# KiCad board communications-module.kicad_pcb (continued)
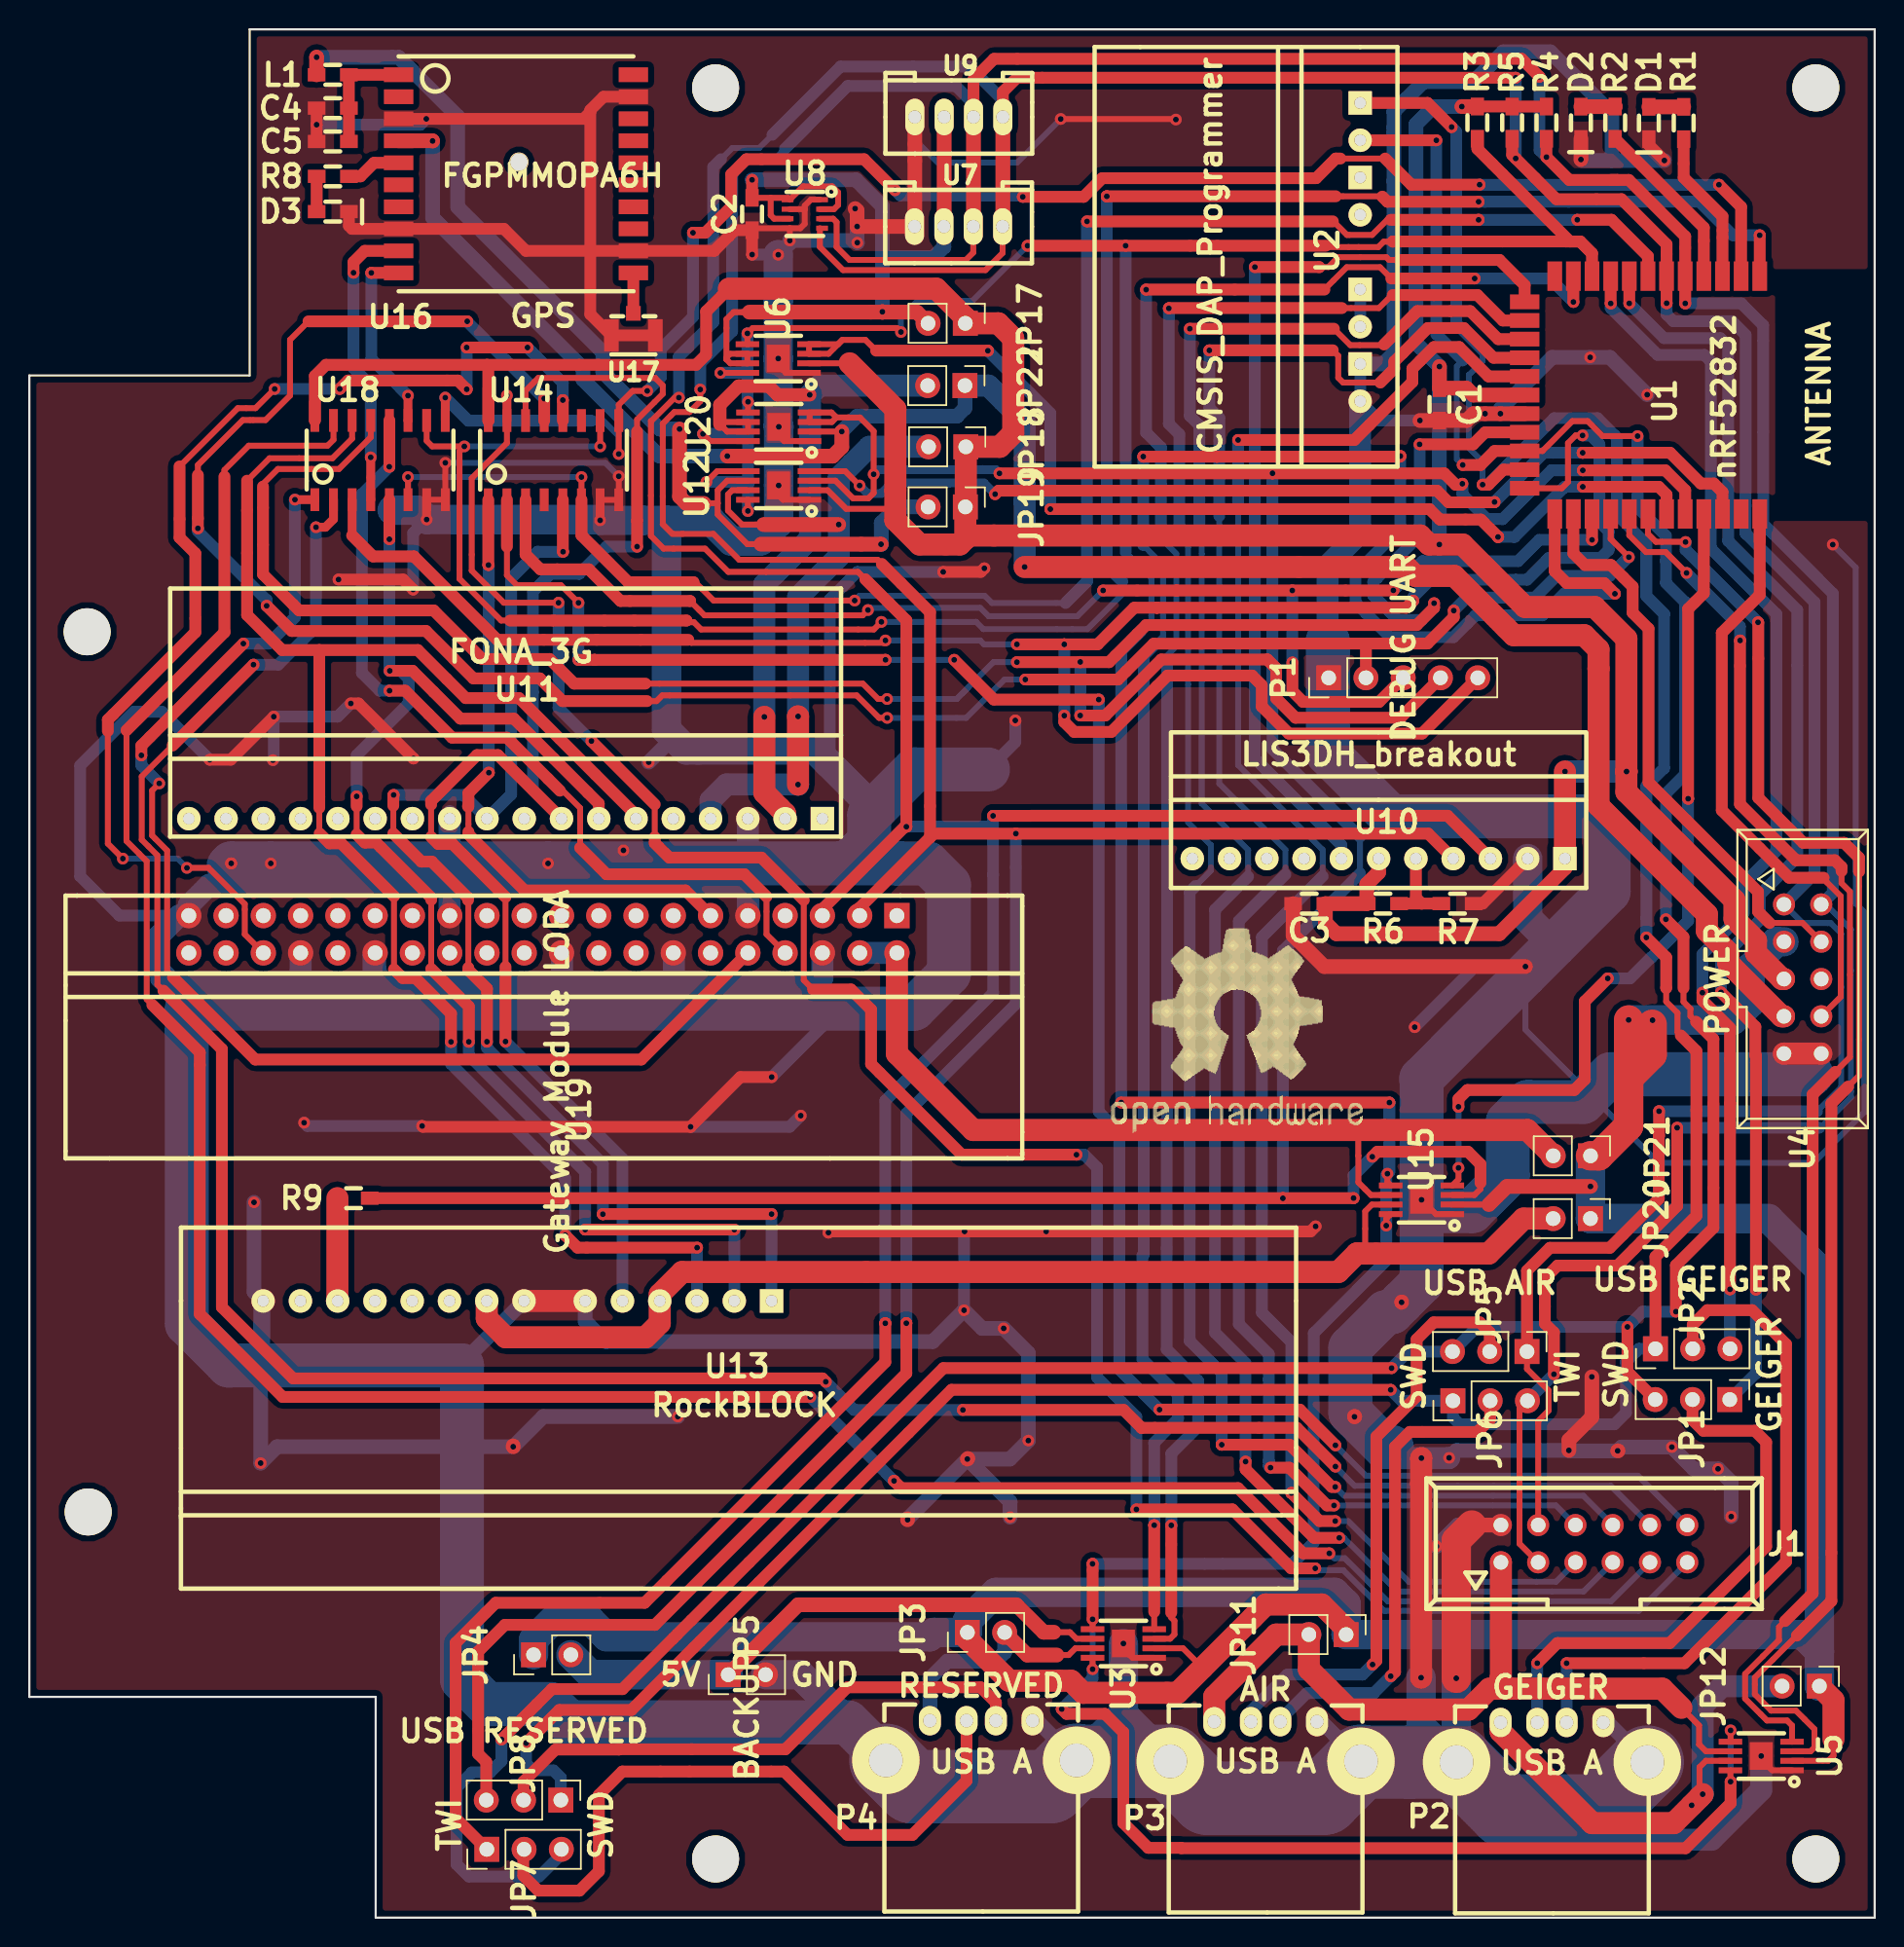
[diagram p0: board, top side]
## Routing (per net, layer and track width the routed paths; a pad name or vN(x,y) marks a point on that pad's centre or on a via; arc(x,y) is an arc through that point) (continued)
UART_RX: length 149.4
  Top w0.4: 41.66,87.03 41.66,87.05 ; 44.91,87.05 45.11,86.84 58.18,86.84 v1(58.34,87.01) ; v1(105.85,100.97) 105.38,100.97 104.86,100.45 104.86,97.8 104.43,97.37 U1.23
  Top w0.6: U18.3 22,94.15
  Top w0.8: 22,94.15 23.42,92.73 26.21,92.73 31.89,87.05 44.91,87.05 ; v1(94.31,89.71) 93.83,89.23 76.85,89.23 ; 76.85,89.24 76.85,89.23 ; 76.85,89.24 76.85,89.23 ; 76.85,89.24 76.85,89.23 ; 76.85,89.24 75.3,89.24 72.8,86.74 70.53,86.74 ; v1(70.53,81.89) 70.53,81.45 71.21,80.77 73.74,80.77 77.58,84.61 83.33,84.61 83.99,83.95 83.99,82.51 85.84,80.66 94.91,80.66 P1.5 ; v1(70.53,86.74) 70.53,86.74 ; v1(70.53,86.74) 70.53,86.74 ; v1(70.53,86.74) 70.53,86.74 ; 70.53,86.74 v1(67.3,86.74)
  Bottom w0.4: v1(67.3,86.74) 65.06,86.74 64.8,87.01 v1(58.34,87.01)
  Bottom w0.8: 94.32,89.71 v1(94.31,89.71) 94.31,89.96 95.49,91.14 102.07,91.14 103.55,92.62 107.09,92.62 107.63,93.16 107.63,94.44 107,95.07 107,100.37 106.4,100.97 v1(105.85,100.97) ; v1(70.53,86.74) v1(70.53,81.89)
UART_TX: length 162.5
  Top w0.4: 15.92,97.49 15.92,97.67 16.94,98.68 21.1,98.68 23.27,100.85 U18.13 ; v1(58.46,83.02) 57.85,83.02 56.8,84.06 41.98,84.06
  Top w0.8: v1(94.74,100.36) 98.39,100.36 99.21,101.18 U1.20 ; 15.92,97.49 15.92,91.51 18.38,89.05 27.55,89.05 30.86,85.74 35.45,85.74 37.13,84.06 41.98,84.06 ; v1(95.73,89.54) 95.73,89.24 94.55,88.05 76.11,88.05 73.58,85.53 71.62,85.53 ; 84.97,85.11 84.37,85.71 ; 84.97,85.11 84.37,85.71 ; 84.97,85.11 84.97,83.06 86.29,81.74 93.45,81.74 P1.4 ; 84.37,85.71 77.15,85.71 73.33,81.89 v1(71.62,81.89) ; v1(71.62,85.54) 71.62,85.53 ; 71.62,85.53 71.62,85.54 71.62,85.53 ; 71.62,85.53 v1(67.3,85.53)
  Bottom w0.4: 63.98,83.79 63.21,83.02 63.19,83.02 ; 63.19,83.02 65.7,85.53 v1(67.3,85.53) ; 63.19,83.02 v1(58.46,83.02)
  Bottom w0.8: v1(95.73,89.54) 95.73,89.24 94.89,88.4 93.26,88.4 91.59,90.07 91.59,90.99 94.74,94.15 v1(94.74,100.36) ; v1(71.62,85.54) 71.62,85.54 v1(71.62,81.89)
UMUX_INH: length 121.7
  Top w0.4: 37.62,96.59 U14.6 v1(37.63,98.14) ; v1(56.25,89.72) 46.63,89.72 45.82,90.53 45.82,90.53 45.38,90.97 45.26,90.97 ; 87.66,115.55 88.87,115.55 89.8,114.63 91.51,114.63 92.54,115.66 92.78,115.66 ; v1(25.81,98.14) U18.6
  Top w0.8: 45.26,90.97 45.26,90.97 40.82,90.97 37.63,94.17 U14.6 ; v1(105.49,115.66) 107.82,115.66 110.31,113.17 U1.7 ; 98.77,115.67 v1(98.77,115.66) 92.78,115.66 ; 88.83,115.55 v1(72.08,115.55)
  Bottom w0.4: v1(56.25,89.72) 56.57,90.04 65.11,90.04 65.6,89.56 70.62,89.56 ; v1(37.63,98.14) v1(25.81,98.14)
  Bottom w0.8: v1(98.77,115.66) 98.77,115.66 v1(105.49,115.66) ; v1(72.08,115.55) 72.08,91.02 70.62,89.56
UMUX_SEL0: length 148.2
  Top w0.4: U14.10 38.9,101.98 v1(38.9,100.22) ; v1(58.07,88.27) 57.55,87.75 45.78,87.75 45.29,88.25 44.9,88.25 44.78,88.36 ; 32.77,88.36 32.16,88.36 29.32,91.2 29.32,99.9 v1(29.64,100.22) 27.46,100.22 27.08,100.6 U18.10 ; 89.03,117.26 92.18,117.26 92.2,117.24
  Top w0.8: v1(117.92,114.61) 117.93,114.6 U1.1 ; 92.2,117.24 92.55,116.89 v1(98.77,116.89) ; 44.79,88.36 44.78,88.36 32.77,88.36 ; v1(73.43,117.26) 73.43,117.26 ; v1(73.43,117.26) 73.43,117.26 ; v1(73.43,117.26) 73.43,117.26 ; 73.43,117.26 89.03,117.26
  Bottom w0.4: 74.49,91.02 74.49,90.17 72.1,87.78 65.01,87.78 64.53,88.27 v1(58.07,88.27) ; v1(38.9,100.22) v1(29.64,100.22)
  Bottom w0.8: 74.49,91.02 73.43,92.08 73.43,117.25 v1(73.43,117.26) ; v1(98.77,116.89) 113.81,116.89 116.09,114.61 v1(117.92,114.61)
UMUX_SEL1: length 116.7
  Top w0.4: v1(40.17,99.71) 40.17,99.71 U14.9 40.17,103.06 41.11,104 v1(42.11,104) ; 89.08,119.83 92.4,119.83
  Top w0.6: v1(28.35,103.55) 28.35,103.55 U18.9
  Top w0.8: v1(115.15,118.05) 116.66,116.54 U1.2 ; 92.4,119.83 94.18,118.05 v1(98.84,118.05) ; v1(67.7,117.22) 71.85,117.22 73.12,118.5 87.7,118.5 89.03,119.83 89.35,119.83 ; v1(45.23,114.78) 46.06,114.78 47.83,116.55 47.83,118.76 48.86,119.78 56.89,119.78 v1(59,117.68)
  Bottom w0.4: 38.32,101.98 39.12,101.98 40.17,100.92 v1(40.17,99.71)
  Bottom w0.8: v1(28.35,103.55) 29.92,101.98 38.32,101.98 ; v1(98.84,118.05) 98.84,118.05 v1(115.15,118.05) ; v1(59,117.68) 59.36,117.32 67.61,117.32 v1(67.7,117.22) ; v1(42.11,104) 43.03,104.93 43.03,106.85 45.23,109.05 v1(45.23,114.78)
Net-(C4-Pad2): length 7.9
  Top w0.8: 25.16,125.55 U16.1 25.16,125.54 L1.1 C4.2 21.78,123.26 C5.2
Net-(D1-Pad2): length 2.4
  Top w1: D1.2 R1.1
Net-(D2-Pad2): length 2.3
  Top w1: R2.1 108.07,123.37 D2.2
Net-(D3-Pad2): length 2.4
  Top w0.8: D3.2 19.58,116.22 R8.1
Net-(JP1-Pad2): length 37.1
  Top w0.8: v1(102.77,17.33) 104.14,18.71 111.8,18.71 118.36,25.27 118.36,32.39 117.59,33.17 114.08,33.17 113.35,33.9 JP1.2
  Bottom w0.8: v1(102.77,17.33) 102.77,17.33 P2.2
Net-(JP2-Pad2): length 46
  Top w0.8: JP2.2 113.36,40.39 114.36,41.38 117.4,41.38 119.72,39.07 119.72,24.25 112.8,17.33 v1(104.77,17.33)
  Bottom w0.8: v1(104.77,17.33) 104.77,17.33 P2.3
Net-(JP5-Pad2): length 40.8
  Top w0.8: JP5.2 99.53,39.88 98.85,40.55 95.7,40.55 94.54,39.39 94.54,35.51 91.8,32.77 91.8,17.5 v1(91.54,17.24)
  Bottom w0.8: v1(91.54,17.24) 90.86,16.56 85.72,16.56 83.25,14.09 P3.2
Net-(JP6-Pad2): length 33.2
  Top w0.8: JP6.2 99.56,33.96 98.69,33.09 94.08,33.09 93.07,32.08 93.07,16.74 v1(92.78,16.44)
  Bottom w0.8: v1(92.78,16.44) 91.63,15.29 87.05,15.29 85.25,13.49 P3.3
Net-(JP7-Pad2): length 46.3
  Top w0.8: 33.66,4.69 33.66,2.86 34.68,1.84 37.49,1.84 38.81,3.16 38.81,8.36 40.41,9.95 51.45,9.95 55.76,5.64 60.18,5.64 63.87,9.33 P4.2
Net-(JP8-Pad2): length 37.8
  Top w0.8: JP8.2 33.68,9.28 35.85,11.45 40.18,11.45 40.18,11.47 51.53,11.47 55.75,15.69 64.83,15.69 65.87,14.65 P4.3
Net-(R6-Pad2): length 6.1
  Top w0.8: 94.89,69.08 94.49,69.47 U10.5 ; 94.89,69.08 R7.1 ; 94.89,69.08 R6.2
Net-(R8-Pad2): length 3.8
  Top w0.8: U16.5 23.49,119.54 22.57,118.62 R8.2
Net-(R9-Pad1): length 7
  Top w1.5: U13.12 21,42.03 R9.1
Net-(U2-Pad2): length 2.5
  Bottom w0.8: U2.2 U2.2
Net-(U16-Pad11): length 2.8
  Top w0.8: U16.11 41.16,112.04 U17.1

## Copper pours and planes (outline as drawn; the poured copper is in the pictures)
GND on Top: 15.01,128.63 125.76,128.63 125.76,0 23.61,0.01 23.61,15.04 0,15.04 0,105.06 15.01,105.06
GND on Bottom: 15.02,128.64 125.76,128.64 125.75,0 23.61,0.02 23.6,15.03 0.01,15.05 0,105.06 15.01,105.06 15.02,128.47

## Text on the board
B.SilkS: Institute IRNAS Rače | Communications Module | Safecast | SOLARCAST
F.SilkS: USB RESERVED | GPS | 5V | GND | RESERVED | AIR | USB AIR | GEIGER | USB GEIGER | TWI | SWD | POWER
